# Altium PCB GE21_M1_pku_f100.PcbDoc (part 12 of 19) (continued)
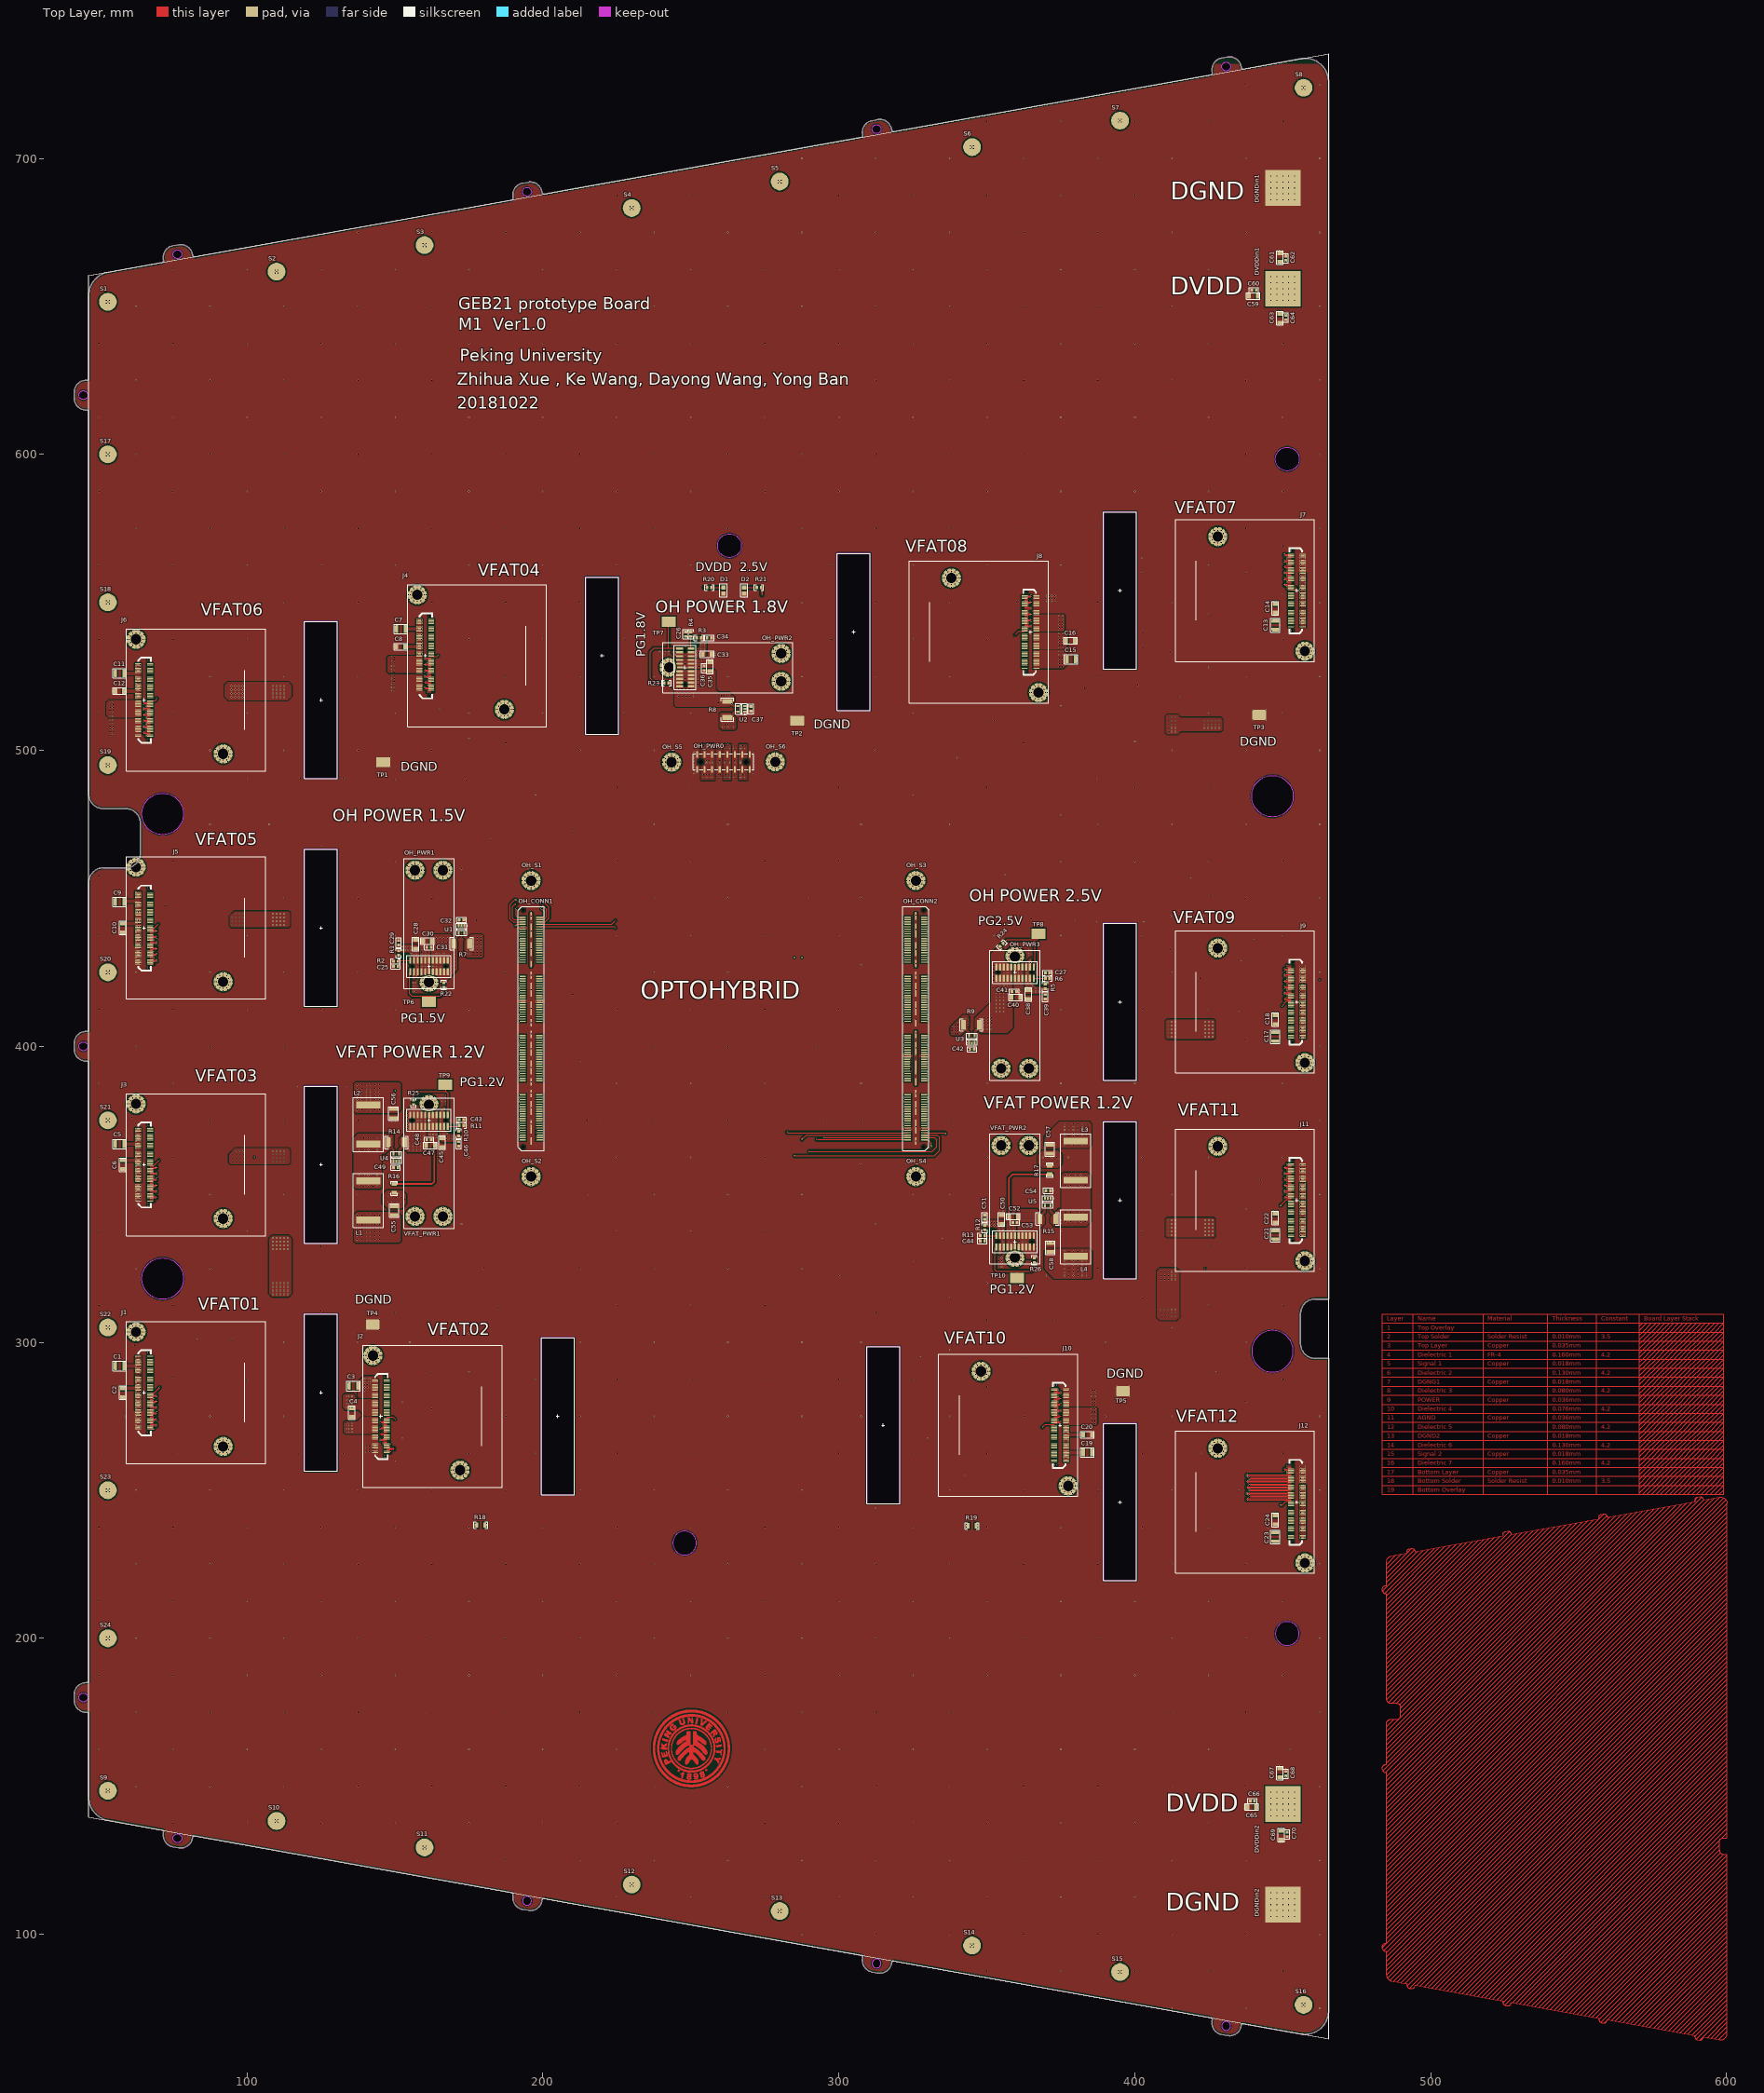
[diagram p0: Top Layer view]
## Nets (pads, with @x,y where several pads share a name; then routed paths per layer and width w, separated by ;. In a path a pad name is that pad's centre, name@x,y a point inside that pad or via, vN(x,y) a via of type N, cw(c..) or ccw(c..) an arc to the next point about the centre after c; other vN are vias at no path point) (continued)
; 242.254,168.165 243.143,168.165 ; 242.254,171.188 243.168,171.188 ; 242.254,173.143 243.422,173.143 ; 242.279,152.519 243.473,152.519 ; 242.279,154.474 243.194,154.474 ; 242.279,161.485 242.711,161.485 ; 242.279,161.51 242.711,161.51 ; 242.279,161.536 242.711,161.536 ; 242.279,161.561 242.711,161.561 ; 242.279,161.586 242.711,161.586 ; 242.279,161.612 242.711,161.612 ; 242.279,164.076 242.711,164.076 ; 242.279,164.101 242.711,164.101 ; 242.279,164.126 242.711,164.126 ; 242.279,164.152 242.711,164.152 ; 242.279,164.177 242.711,164.177 ; 242.279,164.203 242.711,164.203 ; 242.279,166.565 242.559,166.565 ; 242.279,168.14 243.194,168.14 ; 242.279,171.213 243.194,171.213 ; 242.279,173.169 243.473,173.169 ; 242.305,154.449 243.219,154.449 ; 242.305,161.332 242.736,161.332 ; 242.305,161.358 242.736,161.358 ; 242.305,161.383 242.736,161.383 ; 242.305,161.409 242.736,161.409 ; 242.305,161.434 242.736,161.434 ; 242.305,161.459 242.736,161.459 ; 242.305,164.228 242.736,164.228 ; 242.305,164.253 242.736,164.253 ; 242.305,164.279 242.736,164.279 ; 242.305,164.304 242.736,164.304 ; 242.305,164.33 242.736,164.33 ; 242.305,164.355 242.736,164.355 ; 242.305,167.936 243.397,167.936 ; 242.305,171.238 243.219,171.238 ; 242.33,152.493 243.498,152.493 ; 242.33,154.424 243.244,154.424 ; 242.33,158.386 243.041,158.386 ; 242.33,161.205 242.762,161.205 ; 242.33,161.231 242.762,161.231 ; 242.33,161.256 242.762,161.256 ; 242.33,161.282 242.762,161.282 ; 242.33,161.307 242.762,161.307 ; 242.33,164.38 242.762,164.38 ; 242.33,164.406 242.762,164.406 ; 242.33,164.431 242.762,164.431 ; 242.33,164.457 242.762,164.457 ; 242.33,164.482 242.762,164.482 ; 242.33,166.539 242.533,166.539 ; 242.33,168.114 243.244,168.114 ; 242.33,171.264 243.244,171.264 ; 242.33,173.194 243.498,173.194 ; 242.355,152.468 243.549,152.468 ; 242.355,154.398 243.295,154.398 ; 242.355,161.104 242.787,161.104 ; 242.355,161.129 242.787,161.129 ; 242.355,161.155 242.787,161.155 ; 242.355,161.18 242.787,161.18 ; 242.355,164.507 242.787,164.507 ; 242.355,164.533 242.787,164.533 ; 242.355,164.558 242.787,164.558 ; 242.355,164.584 242.787,164.584 ; 242.355,167.962 243.397,167.962 ; 242.355,168.089 243.295,168.089 ; 242.355,171.289 243.295,171.289 ; 242.355,173.22 243.549,173.22 ; 242.381,152.442 243.575,152.442 ; 242.381,160.977 242.838,160.977 ; 242.381,161.002 242.813,161.002 ; 242.381,161.028 242.813,161.028 ; 242.381,161.053 242.813,161.053 ; 242.381,161.078 242.813,161.078 ; 242.381,164.609 242.813,164.609 ; 242.381,164.634 242.813,164.634 ; 242.381,164.66 242.813,164.66 ; 242.381,164.685 242.813,164.685 ; 242.381,164.711 242.838,164.711 ; 242.381,166.514 242.482,166.514 ; 242.381,168.063 243.346,168.063 ; 242.381,173.245 243.575,173.245 ; 242.406,154.373 243.321,154.373 ; 242.406,158.411 243.041,158.411 ; 242.406,160.875 242.863,160.875 ; 242.406,160.901 242.838,160.901 ; 242.406,160.926 242.838,160.926 ; 242.406,160.951 242.838,160.951 ; 242.406,164.736 242.838,164.736 ; 242.406,164.761 242.838,164.761 ; 242.406,164.787 242.838,164.787 ; 242.406,164.812 242.863,164.812 ; 242.406,167.987 243.422,167.987 ; 242.406,168.013 243.397,168.013 ; 242.406,168.038 243.397,168.038 ; 242.406,171.315 243.321,171.315 ; 242.432,152.417 243.625,152.417 ; 242.432,154.347 243.346,154.347 ; 242.432,160.799 242.863,160.799 ; 242.432,160.824 242.863,160.824 ; 242.432,160.85 242.863,160.85 ; 242.432,164.838 242.863,164.838 ; 242.432,164.863 242.863,164.863 ; 242.432,164.888 242.863,164.888 ; 242.432,171.34 243.346,171.34 ; 242.432,173.27 243.625,173.27 ; 242.457,152.392 243.676,152.392 ; 242.457,154.322 243.371,154.322 ; 242.457,160.697 242.914,160.697 ; 242.457,160.723 242.889,160.723 ; 242.457,160.748 242.889,160.748 ; 242.457,160.774 242.889,160.774 ; 242.457,164.914 242.889,164.914 ; 242.457,164.939 242.889,164.939 ; 242.457,164.965 242.889,164.965 ; 242.457,164.99 242.914,164.99 ; 242.457,171.365 243.397,171.365 ; 242.457,173.296 243.676,173.296 ; 242.482,152.366 243.702,152.366 ; 242.482,154.297 243.422,154.297 ; 242.482,158.437 243.016,158.437 ; 242.482,160.621 242.914,160.621 ; 242.482,160.647 242.914,160.647 ; 242.482,160.672 242.914,160.672 ; 242.482,165.015 242.914,165.015 ; 242.482,165.041 242.914,165.041 ; 242.482,165.066 242.914,165.066 ; 242.482,171.391 243.422,171.391 ; 242.482,173.321 243.702,173.321 ; 242.508,154.271 243.448,154.271 ; 242.508,160.52 242.965,160.52 ; 242.508,160.545 242.965,160.545 ; 242.508,160.57 242.94,160.57 ; 242.508,160.596 242.94,160.596 ; 242.508,165.092 242.94,165.092 ; 242.508,165.117 242.94,165.117 ; 242.508,165.142 242.94,165.142 ; 242.508,165.168 242.965,165.168 ; 242.508,171.416 243.448,171.416 ; 242.533,152.341 243.752,152.341 ; 242.533,154.246 243.473,154.246 ; 242.533,158.462 243.016,158.462 ; 242.533,160.443 242.99,160.443 ; 242.533,160.469 242.965,160.469 ; 242.533,160.494 242.965,160.494 ; 242.533,165.193 242.965,165.193 ; 242.533,165.219 242.965,165.219 ; 242.533,165.244 242.99,165.244 ; 242.533,171.442 243.473,171.442 ; 242.533,173.347 243.752,173.347 ; 242.559,152.315 243.803,152.315 ; 242.559,154.22 243.524,154.22 ; 242.559,158.488 243.016,158.488 ; 242.559,160.367 243.016,160.367 ; 242.559,160.393 242.99,160.393 ; 242.559,160.418 242.99,160.418 ; 242.559,165.269 242.99,165.269 ; 242.559,165.295 242.99,165.295 ; 242.559,165.32 243.016,165.32 ; 242.559,171.467 243.524,171.467 ; 242.559,173.372 243.803,173.372 ; 242.584,152.29 243.829,152.29 ; 242.584,154.195 243.549,154.195 ; 242.584,160.291 243.041,160.291 ; 242.584,160.316 243.016,160.316 ; 242.584,160.342 243.016,160.342 ; 242.584,165.346 243.016,165.346 ; 242.584,165.371 243.016,165.371 ; 242.584,165.396 243.041,165.396 ; 242.584,171.492 243.549,171.492 ; 242.609,154.17 243.575,154.17 ; 242.609,158.513 242.99,158.513 ; 242.609,160.215 243.067,160.215 ; 242.609,160.24 243.067,160.24 ; 242.609,160.266 243.041,160.266 ; 242.609,165.422 243.041,165.422 ; 242.609,165.447 243.067,165.447 ; 242.609,165.473 243.067,165.473 ; 242.609,171.518 243.575,171.518 ; 242.609,173.397 243.829,173.397 ; 242.635,152.265 243.879,152.265 ; 242.635,160.164 243.092,160.164 ; 242.635,160.189 243.067,160.189 ; 242.635,165.498 243.067,165.498 ; 242.635,165.523 243.092,165.523 ; 242.635,173.423 243.879,173.423 ; 242.66,152.239 243.93,152.239 ; 242.66,154.144 243.625,154.144 ; 242.66,158.538 242.99,158.538 ; 242.66,160.088 243.117,160.088 ; 242.66,160.113 243.117,160.113 ; 242.66,160.139 243.092,160.139 ; 242.66,165.549 243.092,165.549 ; 242.66,165.574 243.117,165.574 ; 242.66,165.6 243.117,165.6 ; 242.66,171.543 243.625,171.543 ; 242.66,173.448 243.905,173.448 ; 242.686,154.119 243.651,154.119 ; 242.686,160.012 243.143,160.012 ; 242.686,160.037 243.143,160.037 ; 242.686,160.062 243.117,160.062 ; 242.686,165.625 243.117,165.625 ; 242.686,165.65 243.143,165.65 ; 242.686,165.676 243.143,165.676 ; 242.686,171.569 243.651,171.569 ; 242.711,152.214 243.956,152.214 ; 242.711,154.093 243.676,154.093 ; 242.711,158.564 242.99,158.564 ; 242.711,159.935 243.168,159.935 ; 242.711,159.961 243.168,159.961 ; 242.711,159.986 243.168,159.986 ; 242.711,165.701 243.168,165.701 ; 242.711,165.727 243.168,165.727 ; 242.711,165.752 243.168,165.752 ; 242.711,171.594 243.676,171.594 ; 242.711,173.474 243.956,173.474 ; 242.736,152.188 244.006,152.188 ; 242.736,154.068 243.702,154.068 ; 242.736,159.885 243.194,159.885 ; 242.736,159.91 243.194,159.91 ; 242.736,165.777 243.194,165.777 ; 242.736,165.803 243.194,165.803 ; 242.736,167.581 243.016,167.581 ; 242.736,171.619 243.702,171.619 ; 242.736,173.499 244.006,173.499 ; 242.762,154.043 243.752,154.043 ; 242.762,158.589 242.965,158.589 ; 242.762,159.834 243.219,159.834 ; 242.762,159.859 243.219,159.859 ; 242.762,165.828 243.219,165.828 ; 242.762,165.854 243.219,165.854 ; 242.762,171.645 243.752,171.645 ; 242.787,152.163 244.057,152.163 ; 242.787,154.017 243.778,154.017 ; 242.787,159.758 243.244,159.758 ; 242.787,159.783 243.244,159.783 ; 242.787,159.808 243.219,159.808 ; 242.787,165.879 243.219,165.879 ; 242.787,165.904 243.244,165.904 ; 242.787,165.93 243.244,165.93 ; 242.787,173.524 244.057,173.524 ; 242.813,152.138 244.083,152.138 ; 242.813,158.615 242.94,158.615 ; 242.813,159.707 243.27,159.707 ; 242.813,159.732 243.27,159.732 ; 242.813,165.955 243.27,165.955 ; 242.813,165.981 243.27,165.981 ; 242.813,171.67 243.778,171.67 ; 242.813,173.55 244.083,173.55 ; 242.838,152.112 244.133,152.112 ; 242.838,153.992 243.803,153.992 ; 242.838,159.631 243.321,159.631 ; 242.838,159.656 243.295,159.656 ; 242.838,159.681 243.295,159.681 ; 242.838,166.006 243.295,166.006 ; 242.838,166.031 243.295,166.031 ; 242.838,171.696 243.829,171.696 ; 242.838,173.575 244.133,173.575 ; 242.863,153.966 243.854,153.966 ; 242.863,159.58 243.346,159.58 ; 242.863,159.605 243.321,159.605 ; 242.863,166.057 243.321,166.057 ; 242.863,166.082 243.321,166.082 ; 242.863,166.108 243.346,166.108 ; 242.863,171.721 243.854,171.721 ; 242.889,152.087 244.184,152.087 ; 242.889,153.941 243.879,153.941 ; 242.889,158.64 242.94,158.64 ; 242.889,159.529 243.371,159.529 ; 242.889,159.554 243.346,159.554 ; 242.889,166.133 243.346,166.133 ; 242.889,166.158 243.371,166.158 ; 242.889,171.746 243.879,171.746 ; 242.889,173.601 244.184,173.601 ; 242.914,152.061 244.235,152.061 ; 242.914,153.916 243.93,153.916 ; 242.914,159.478 243.397,159.478 ; 242.914,159.504 243.371,159.504 ; 242.914,166.184 243.371,166.184 ; 242.914,166.209 243.397,166.209 ; 242.914,171.772 243.93,171.772 ; 242.914,173.626 244.235,173.626 ; 242.94,159.427 243.397,159.427 ; 242.94,159.453 243.397,159.453 ; 242.94,166.235 243.397,166.235 ; 242.94,166.26 243.397,166.26 ; 242.94,169.841 243.397,169.841 ; 242.94,169.867 243.397,169.867 ; 242.94,169.892 243.371,169.892 ; 242.94,169.918 243.371,169.918 ; 242.94,169.943 243.371,169.943 ; 242.94,169.968 243.346,169.968 ; 242.94,169.994 243.346,169.994 ; 242.94,170.019 243.346,170.019 ; 242.94,170.045 243.346,170.045 ; 242.94,170.07 243.321,170.07 ; 242.94,170.095 243.321,170.095 ; 242.94,170.121 243.321,170.121 ; 242.965,152.036 244.286,152.036 ; 242.965,153.89 243.956,153.89 ; 242.965,159.377 243.448,159.377 ; 242.965,159.402 243.422,159.402 ; 242.965,166.285 243.422,166.285 ; 242.965,166.311 243.448,166.311 ; 242.965,169.714 243.498,169.714 ; 242.965,169.74 243.498,169.74 ; 242.965,169.765 243.473,169.765 ; 242.965,169.791 243.448,169.791 ; 242.965,169.816 243.422,169.816 ; 242.965,170.146 243.321,170.146 ; 242.965,170.172 243.321,170.172 ; 242.965,170.197 243.346,170.197 ; 242.965,170.222 243.346,170.222 ; 242.965,170.248 243.346,170.248 ; 242.965,170.273 243.346,170.273 ; 242.965,171.797 243.956,171.797 ; 242.965,173.651 244.286,173.651 ; 242.99,152.011 244.311,152.011 ; 242.99,153.865 244.006,153.865 ; 242.99,159.326 243.473,159.326 ; 242.99,159.351 243.448,159.351 ; 242.99,166.336 243.448,166.336 ; 242.99,166.362 243.473,166.362 ; 242.99,169.638 243.575,169.638 ; 242.99,169.664 243.549,169.664 ; 242.99,169.689 243.524,169.689 ; 242.99,170.299 243.371,170.299 ; 242.99,170.324 243.371,170.324 ; 242.99,171.823 244.006,171.823 ; 242.99,173.677 244.311,173.677 ; 243.016,153.839 244.032,153.839 ; 243.016,159.275 243.498,159.275 ; 243.016,159.3 243.473,159.3 ; 243.016,166.387 243.473,166.387 ; 243.016,166.412 243.498,166.412 ; 243.016,169.562 243.651,169.562 ; 243.016,169.587 243.625,169.587 ; 243.016,169.613 243.6,169.613 ; 243.016,170.349 243.397,170.349 ; 243.016,170.375 243.422,170.375 ; 243.016,171.848 244.032,171.848 ; 243.041,151.985 244.362,151.985 ; 243.041,153.814 244.083,153.814 ; 243.041,159.224 243.524,159.224 ; 243.041,159.25 243.498,159.25 ; 243.041,166.438 243.498,166.438 ; 243.041,166.463 243.524,166.463 ; 243.041,169.511 243.702,169.511 ; 243.041,169.537 243.676,169.537 ; 243.041,170.4 243.448,170.4 ; 243.041,171.873 244.057,171.873 ; 243.041,173.702 244.362,173.702 ; 243.067,151.96 244.413,151.96 ; 243.067,159.173 243.549,159.173 ; 243.067,159.199 243.524,159.199 ; 243.067,166.489 243.524,166.489 ; 243.067,166.514 243.549,166.514 ; 243.067,169.46 243.752,169.46 ; 243.067,169.486 243.727,169.486 ; 243.067,170.426 243.448,170.426 ; 243.067,170.451 243.498,170.451 ; 243.067,173.728 244.413,173.728 ; 243.092,153.789 244.108,153.789 ; 243.092,159.123 243.575,159.123 ; 243.092,159.148 243.549,159.148 ; 243.092,166.539 243.549,166.539 ; 243.092,166.565 243.575,166.565 ; 243.092,169.435 243.803,169.435 ; 243.092,170.476 243.524,170.476 ; 243.092,171.899 244.108,171.899 ; 243.117,151.934 244.464,151.934 ; 243.117,153.763 244.159,153.763 ; 243.117,159.072 243.6,159.072 ; 243.117,159.097 243.6,159.097 ; 243.117,166.59 243.6,166.59 ; 243.117,166.616 243.6,166.616 ; 243.117,169.384 243.879,169.384 ; 243.117,169.41 243.829,169.41 ; 243.117,170.502 243.549,170.502 ; 243.117,170.527 243.575,170.527 ; 243.117,171.924 244.159,171.924 ; 243.117,173.753 244.464,173.753 ; 243.143,151.909 244.514,151.909 ; 243.143,153.738 244.184,153.738 ; 243.143,159.021 243.625,159.021 ; 243.143,159.046 243.625,159.046 ; 243.143,166.641 243.625,166.641 ; 243.143,166.666 243.625,166.666 ; 243.143,169.359 243.93,169.359 ; 243.143,170.553 243.625,170.553 ; 243.143,171.95 244.184,171.95 ; 243.143,173.778 244.514,173.778 ; 243.168,158.97 243.676,158.97 ; 243.168,158.996 243.651,158.996 ; 243.168,166.692 243.651,166.692 ; 243.168,169.308 244.667,169.308 ; 243.168,169.333 244.083,169.333 ; 243.168,170.578 243.651,170.578 ; 243.194,151.884 244.565,151.884 ; 243.194,153.712 244.235,153.712 ; 243.194,158.945 243.676,158.945 ; 243.194,166.717 243.676,166.717 ; 243.194,166.743 243.676,166.743 ; 243.194,169.283 244.641,169.283 ; 243.194,170.603 243.702,170.603 ; 243.194,171.975 244.235,171.975 ; 243.194,173.804 244.565,173.804 ; 243.219,153.687 244.26,153.687 ; 243.219,158.894 243.702,158.894 ; 243.219,158.919 243.702,158.919 ; 243.219,166.768 243.702,166.768 ; 243.219,166.793 243.702,166.793 ; 243.219,169.257 244.616,169.257 ; 243.219,170.629 243.981,170.629 ; 243.219,172 244.26,172 ; 243.244,151.858 244.616,151.858 ; 243.244,153.662 244.311,153.662 ; 243.244,158.843 243.752,158.843 ; 243.244,158.869 243.727,158.869 ; 243.244,166.819 243.727,166.819 ; 243.244,166.844 243.752,166.844 ; 243.244,169.232 244.591,169.232 ; 243.244,170.654 244.006,170.654 ; 243.244,172.026 244.311,172.026 ; 243.244,173.829 244.616,173.829 ; 243.27,151.833 244.667,151.833 ; 243.27,153.636 244.337,153.636 ; 243.27,158.792 243.778,158.792 ; 243.27,158.818 243.752,158.818 ; 243.27,166.87 243.752,166.87 ; 243.27,166.895 243.778,166.895 ; 243.27,169.206 244.565,169.206 ; 243.27,170.68 244.032,170.68 ; 243.27,172.051 244.337,172.051 ; 243.27,173.855 244.667,173.855 ; 243.295,158.767 243.778,158.767 ; 243.295,166.92 243.778,166.92 ; 243.295,169.181 244.54,169.181 ; 243.295,170.705 244.057,170.705 ; 243.321,151.807 244.718,151.807 ; 243.321,153.611 244.387,153.611 ; 243.321,158.716 243.829,158.716 ; 243.321,158.742 243.803,158.742 ; 243.321,162.323 243.549,162.323 ; 243.321,162.348 243.549,162.348 ; 243.321,162.374 243.549,162.374 ; 243.321,162.399 243.524,162.399 ; 243.321,162.425 243.524,162.425 ; 243.321,162.45 243.524,162.45 ; 243.321,162.475 243.524,162.475 ; 243.321,162.501 243.524,162.501 ; 243.321,162.526 243.524,162.526 ; 243.321,162.552 243.524,162.552 ; 243.321,162.577 243.524,162.577 ; 243.321,162.602 243.524,162.602 ; 243.321,162.628 243.524,162.628 ; 243.321,162.653 243.524,162.653 ; 243.321,162.679 243.524,162.679 ; 243.321,162.704 243.524,162.704 ; 243.321,162.729 243.524,162.729 ; 243.321,162.755 243.524,162.755 ; 243.321,162.78 243.524,162.78 ; 243.321,162.806 243.524,162.806 ; 243.321,162.831 243.524,162.831 ; 243.321,162.856 243.524,162.856 ; 243.321,162.882 243.524,162.882 ; 243.321,162.907 243.524,162.907 ; 243.321,162.933 243.524,162.933 ; 243.321,162.958 243.524,162.958 ; 243.321,162.983 243.524,162.983 ; 243.321,163.009 243.524,163.009 ; 243.321,163.034 243.524,163.034 ; 243.321,163.06 243.524,163.06 ; 243.321,163.085 243.524,163.085 ; 243.321,163.11 243.524,163.11 ; 243.321,163.136 243.524,163.136 ; 243.321,163.161 243.524,163.161 ; 243.321,163.187 243.524,163.187 ; 243.321,163.212 243.524,163.212 ; 243.321,163.237 243.524,163.237 ; 243.321,163.263 243.524,163.263 ; 243.321,163.288 243.524,163.288 ; 243.321,163.314 243.549,163.314 ; 243.321,163.339 243.549,163.339 ; 243.321,163.364 243.549,163.364 ; 243.321,163.39 243.549,163.39 ; 243.321,166.946 243.803,166.946 ; 243.321,166.971 243.829,166.971 ; 243.321,170.73 244.083,170.73 ; 243.321,172.077 244.387,172.077 ; 243.321,173.88 244.718,173.88 ; 243.346,151.782 244.768,151.782 ; 243.346,153.585 244.413,153.585 ; 243.346,158.665 243.854,158.665 ; 243.346,158.691 243.829,158.691 ; 243.346,162.018 243.575,162.018 ; 243.346,162.044 243.575,162.044 ; 243.346,162.069 243.575,162.069 ; 243.346,162.094 243.575,162.094 ; 243.346,162.12 243.575,162.12 ; 243.346,162.145 243.549,162.145 ; 243.346,162.171 243.549,162.171 ; 243.346,162.196 243.549,162.196 ; 243.346,162.221 243.549,162.221 ; 243.346,162.247 243.549,162.247 ; 243.346,162.272 243.549,162.272 ; 243.346,162.298 243.549,162.298 ; 243.346,163.415 243.549,163.415 ; 243.346,163.441 243.549,163.441 ; 243.346,163.466 243.549,163.466 ; 243.346,163.491 243.549,163.491 ; 243.346,163.517 243.549,163.517 ; 243.346,163.542 243.549,163.542 ; 243.346,163.568 243.575,163.568 ; 243.346,163.593 243.575,163.593 ; 243.346,163.618 243.575,163.618 ; 243.346,163.644 243.575,163.644 ; 243.346,163.669 243.575,163.669 ; 243.346,166.997 243.829,166.997 ; 243.346,167.022 243.854,167.022 ; 243.346,169.156 244.489,169.156 ; 243.346,170.756 244.108,170.756 ; 243.346,172.102 244.438,172.102 ; 243.346,173.905 244.768,173.905 ; 243.371,153.56 244.464,153.56 ; 243.371,158.64 243.879,158.64 ; 243.371,161.84 243.6,161.84 ; 243.371,161.866 243.6,161.866 ; 243.371,161.891 243.6,161.891 ; 243.371,161.917 243.6,161.917 ; 243.371,161.942 243.575,161.942 ; 243.371,161.967 243.575,161.967 ; 243.371,161.993 243.575,161.993 ; 243.371,163.695 243.575,163.695 ; 243.371,163.72 243.575,163.72 ; 243.371,163.745 243.575,163.745 ; 243.371,163.771 243.6,163.771 ; 243.371,163.796 243.6,163.796 ; 243.371,163.822 243.6,163.822 ; 243.371,163.847 243.6,163.847 ; 243.371,167.047 243.879,167.047 ; 243.371,169.13 244.464,169.13 ; 243.371,170.781 244.133,170.781 ; 243.371,172.127 244.464,172.127 ; 243.397,151.757 244.819,151.757 ; 243.397,158.589 243.905,158.589 ; 243.397,158.615 243.879,158.615 ; 243.397,161.688 243.625,161.688 ; 243.397,161.713 243.625,161.713 ; 243.397,161.739 243.625,161.739 ; 243.397,161.764 243.6,161.764 ; 243.397,161.79 243.6,161.79 ; 243.397,161.815 243.6,161.815 ; 243.397,163.872 243.6,163.872 ; 243.397,163.898 243.6,163.898 ; 243.397,163.923 243.6,163.923 ; 243.397,163.949 243.625,163.949 ; 243.397,163.974 243.625,163.974 ; 243.397,163.999 243.625,163.999 ; 243.397,167.073 243.879,167.073 ; 243.397,167.098 243.905,167.098 ; 243.397,169.105 244.438,169.105 ; 243.397,173.931 244.819,173.931 ; 243.422,153.535 244.489,153.535 ; 243.422,158.564 243.93,158.564 ; 243.422,161.561 243.651,161.561 ; 243.422,161.586 243.651,161.586 ; 243.422,161.612 243.651,161.612 ; 243.422,161.637 243.625,161.637 ; 243.422,161.663 243.625,161.663 ; 243.422,164.025 243.625,164.025 ; 243.422,164.05 243.625,164.05 ; 243.422,164.076 243.651,164.076 ; 243.422,164.101 243.651,164.101 ; 243.422,164.126 243.651,164.126 ; 243.422,167.124 243.93,167.124 ; 243.422,170.807 244.159,170.807 ; 243.422,172.153 244.514,172.153 ; 243.448,151.731 244.87,151.731 ; 243.448,153.509 244.54,153.509 ; 243.448,158.513 243.956,158.513 ; 243.448,158.538 243.93,158.538 ; 243.448,161.434 243.676,161.434 ; 243.448,161.459 243.676,161.459 ; 243.448,161.485 243.651,161.485 ; 243.448,161.51 243.651,161.51 ; 243.448,161.536 243.651,161.536 ; 243.448,164.152 243.651,164.152 ; 243.448,164.177 243.651,164.177 ; 243.448,164.203 243.651,164.203 ; 243.448,164.228 243.676,164.228 ; 243.448,164.253 243.676,164.253 ; 243.448,167.149 243.93,167.149 ; 243.448,167.174 243.956,167.174 ; 243.448,169.079 244.387,169.079 ; 243.448,170.832 244.159,170.832 ; 243.448,172.178 244.54,172.178 ; 243.448,173.956 244.87,173.956 ; 243.473,151.706 244.921,151.706 ; 243.473,153.484 244.591,153.484 ; 243.473,158.462 244.006,158.462 ; 243.473,158.488 243.981,158.488 ; 243.473,161.307 243.702,161.307 ; 243.473,161.332 243.702,161.332 ; 243.473,161.358 243.702,161.358 ; 243.473,161.383 243.676,161.383 ; 243.473,161.409 243.676,161.409 ; 243.473,164.279 243.676,164.279 ; 243.473,164.304 243.676,164.304 ; 243.473,164.33 243.702,164.33 ; 243.473,164.355 243.702,164.355 ; 243.473,164.38 243.702,164.38 ; 243.473,167.2 243.981,167.2 ; 243.473,167.225 243.981,167.225 ; 243.473,172.204 244.591,172.204 ; 243.473,173.982 244.921,173.982 ; 243.498,158.437 244.006,158.437 ; 243.498,161.205 243.727,161.205 ; 243.498,161.231 243.727,161.231 ; 243.498,161.256 243.727,161.256 ; 243.498,161.282 243.702,161.282 ; 243.498,164.406 243.702,164.406 ; 243.498,164.431 243.727,164.431 ; 243.498,164.457 243.727,164.457 ; 243.498,164.482 243.727,164.482 ; 243.498,167.251 244.006,167.251 ; 243.498,170.857 244.159,170.857 ; 243.524,151.68 244.972,151.68 ; 243.524,153.458 244.641,153.458 ; 243.524,158.386 244.057,158.386 ; 243.524,158.411 244.032,158.411 ; 243.524,161.104 243.752,161.104 ; 243.524,161.129 243.752,161.129 ; 243.524,161.155 243.752,161.155 ; 243.524,161.18 243.727,161.18 ; 243.524,164.507 243.727,164.507 ; 243.524,164.533 243.752,164.533 ; 243.524,164.558 243.752,164.558 ; 243.524,164.584 243.752,164.584 ; 243.524,167.276 244.032,167.276 ; 243.524,167.301 244.057,167.301 ; 243.524,169.054 244.337,169.054 ; 243.524,170.883 244.184,170.883 ; 243.524,172.229 244.641,172.229 ; 243.524,174.007 244.972,174.007 ; 243.549,153.433 244.667,153.433 ; 243.549,158.361 244.083,158.361 ; 243.549,161.028 243.778,161.028 ; 243.549,161.053 243.778,161.053 ; 243.549,161.078 243.752,161.078 ; 243.549,164.609 243.752,164.609 ; 243.549,164.634 243.778,164.634 ; 243.549,164.66 243.778,164.66 ; 243.549,167.327 244.083,167.327 ; 243.549,172.254 244.667,172.254 ; 243.575,151.655 245.022,151.655 ; 243.575,158.335 244.083,158.335 ; 243.575,160.926 243.803,160.926 ; 243.575,160.951 243.803,160.951 ; 243.575,160.977 243.778,160.977 ; 243.575,161.002 243.778,161.002 ; 243.575,164.685 243.778,164.685 ; 243.575,164.711 243.803,164.711 ; 243.575,164.736 243.803,164.736 ; 243.575,164.761 243.803,164.761 ; 243.575,167.352 244.083,167.352 ; 243.575,167.378 244.108,167.378 ; 243.575,169.029 244.286,169.029 ; 243.575,170.908 244.184,170.908 ; 243.575,174.032 245.048,174.032 ; 243.6,151.63 245.099,151.63 ; 243.6,153.408 244.718,153.408 ; 243.6,158.284 244.133,158.284 ; 243.6,158.31 244.108,158.31 ; 243.6,160.85 243.829,160.85 ; 243.6,160.875 243.829,160.875 ; 243.6,160.901 243.803,160.901 ; 243.6,164.787 243.803,164.787 ; 243.6,164.812 243.829,164.812 ; 243.6,164.838 243.829,164.838 ; 243.6,167.403 244.133,167.403 ; 243.6,172.28 244.718,172.28 ; 243.6,174.058 245.099,174.058 ; 243.625,153.382 244.768,153.382 ; 243.625,158.259 244.133,158.259 ; 243.625,160.774 243.854,160.774 ; 243.625,160.799 243.854,160.799 ; 243.625,160.824 243.829,160.824 ; 243.625,164.863 243.829,164.863 ; 243.625,164.888 243.854,164.888 ; 243.625,164.914 243.854,164.914 ; 243.625,167.428 244.159,167.428 ; 243.625,170.934 244.21,170.934 ; 243.625,172.305 244.768,172.305 ; 243.651,151.604 245.149,151.604 ; 243.651,158.208 244.184,158.208 ; 243.651,158.234 244.159,158.234 ; 243.651,160.697 243.879,160.697 ; 243.651,160.723 243.879,160.723 ; 243.651,160.748 243.854,160.748 ; 243.651,164.939 243.854,164.939 ; 243.651,164.965 243.879,164.965 ; 243.651,164.99 243.879,164.99 ; 243.651,167.454 244.159,167.454 ; 243.651,167.479 244.184,167.479 ; 243.651,169.003 244.235,169.003 ; 243.651,174.083 245.149,174.083 ; 243.676,153.357 244.794,153.357 ; 243.676,158.183 244.21,158.183 ; 243.676,160.621 243.905,160.621 ; 243.676,160.647 243.905,160.647 ; 243.676,160.672 243.879,160.672 ; 243.676,165.015 243.879,165.015 ; 243.676,165.041 243.905,165.041 ; 243.676,165.066 243.905,165.066 ; 243.676,167.505 244.21,167.505 ; 243.676,170.959 244.184,170.959 ; 243.676,172.331 244.794,172.331 ; 243.702,151.579 245.2,151.579 ; 243.702,153.331 244.845,153.331 ; 243.702,158.157 244.235,158.157 ; 243.702,160.545 243.93,160.545 ; 243.702,160.57 243.93,160.57 ; 243.702,160.596 243.905,160.596 ; 243.702,165.092 243.905,165.092 ; 243.702,165.117 243.93,165.117 ; 243.702,165.142 243.93,165.142 ; 243.702,167.53 244.235,167.53 ; 243.702,168.978 244.159,168.978 ; 243.702,172.356 244.845,172.356 ; 243.702,174.109 245.2,174.109 ; 243.727,151.553 245.251,151.553 ; 243.727,158.107 244.26,158.107 ; 243.727,158.132 244.235,158.132 ; 243.727,160.469 243.956,160.469 ; 243.727,160.494 243.956,160.494 ; 243.727,160.52 243.93,160.52 ; 243.727,165.168 243.93,165.168 ; 243.727,165.193 243.956,165.193 ; 243.727,165.219 243.956,165.219 ; 243.727,167.555 244.26,167.555 ; 243.727,167.581 244.26,167.581 ; 243.727,170.984 244.133,170.984 ; 243.727,174.134 245.251,174.134 ; 243.752,153.306 244.895,153.306 ; 243.752,158.081 244.286,158.081 ; 243.752,160.418 243.981,160.418 ; 243.752,160.443 243.981,160.443 ; 243.752,165.244 243.981,165.244 ; 243.752,165.269 243.981,165.269 ; 243.752,167.606 244.286,167.606 ; 243.752,172.381 244.895,172.381 ; 243.778,151.528 245.327,151.528 ; 243.778,153.281 244.946,153.281 ; 243.778,158.056 244.311,158.056 ; 243.778,160.342 244.006,160.342 ; 243.778,160.367 244.006,160.367 ; 243.778,160.393 243.981,160.393 ; 243.778,165.295 243.981,165.295 ; 243.778,165.32 244.006,165.32 ; 243.778,165.346 244.006,165.346 ; 243.778,167.632 244.311,167.632 ; 243.778,168.952 244.108,168.952 ; 243.778,172.407 244.946,172.407 ; 243.778,174.159 245.327,174.159 ; 243.803,158.005 244.337,158.005 ; 243.803,158.03 244.337,158.03 ; 243.803,160.291 244.032,160.291 ; 243.803,160.316 244.006,160.316 ; 243.803,165.371 244.032,165.371 ; 243.803,165.396 244.032,165.396 ; 243.803,167.657 244.337,167.657 ; 243.803,167.682 244.337,167.682 ; 243.803,171.01 244.083,171.01 ; 243.829,151.503 245.378,151.503 ; 243.829,153.255 244.997,153.255 ; 243.829,157.98 244.362,157.98 ; 243.829,160.215 244.057,160.215 ; 243.829,160.24 244.057,160.24 ; 243.829,160.266 244.032,160.266 ; 243.829,165.422 244.032,165.422 ; 243.829,165.447 244.057,165.447 ; 243.829,165.473 244.057,165.473 ; 243.829,167.708 244.362,167.708 ; 243.829,172.432 244.997,172.432 ; 243.829,174.185 245.378,174.185 ; 243.854,153.23 245.022,153.23 ; 243.854,157.954 244.387,157.954 ; 243.854,160.164 244.083,160.164 ; 243.854,160.189 244.083,160.189 ; 243.854,165.498 244.083,165.498 ; 243.854,165.523 244.083,165.523 ; 243.854,167.733 244.387,167.733 ; 243.854,168.927 244.032,168.927 ; 243.854,172.458 245.048,172.458 ; 243.879,151.477 245.429,151.477 ; 243.879,157.903 244.438,157.903 ; 243.879,157.929 244.413,157.929 ; 243.879,160.088 244.133,160.088 ; 243.879,160.113 244.108,160.113 ; 243.879,160.139 244.108,160.139 ; 243.879,165.549 244.108,165.549 ; 243.879,165.574 244.108,165.574 ; 243.879,165.6 244.133,165.6 ; 243.879,167.759 244.413,167.759 ; 243.879,167.784 244.438,167.784 ; 243.879,171.035 243.981,171.035 ; 243.879,174.21 245.429,174.21 ; 243.905,153.204 245.073,153.204 ; 243.905,157.878 244.464,157.878 ; 243.905,160.037 244.133,160.037 ; 243.905,160.062 244.133,160.062 ; 243.905,165.625 244.133,165.625 ; 243.905,165.65 244.133,165.65 ; 243.905,167.809 244.464,167.809 ; 243.905,170.603 243.956,170.603 ; 243.905,172.483 245.073,172.483 ; 243.93,151.452 245.505,151.452 ; 243.93,153.179 245.124,153.179 ; 243.93,157.853 244.489,157.853 ; 243.93,159.986 244.159,159.986 ; 243.93,160.012 244.159,160.012 ; 243.93,165.676 244.159,165.676 ; 243.93,165.701 244.159,165.701 ; 243.93,167.835 244.489,167.835 ; 243.93,172.508 245.124,172.508 ; 243.93,174.236 245.505,174.236 ; 243.956,157.827 244.489,157.827 ; 243.956,159.935 244.184,159.935 ; 243.956,159.961 244.184,159.961 ; 243.956,165.727 244.184,165.727 ; 243.956,165.752 244.184,165.752 ; 243.956,167.86 244.514,167.86 ; 243.956,167.886 244.514,167.886 ; 243.956,174.261 245.556,174.261